# Altium PCB Gimbal.PcbDoc (part 1 of 2)
Units mil, origin at the board's own origin, x right, y up, seen from the top; angles counter-clockwise.
Board outline 2000 x 2000 mil, 4 copper layers (Top Layer, Ground, Power, Bottom Layer), stack 62 mil thick; 96 components, 55 nets, 309 pads, 198 vias.
Unrouted connection lines stored in the file: 26.
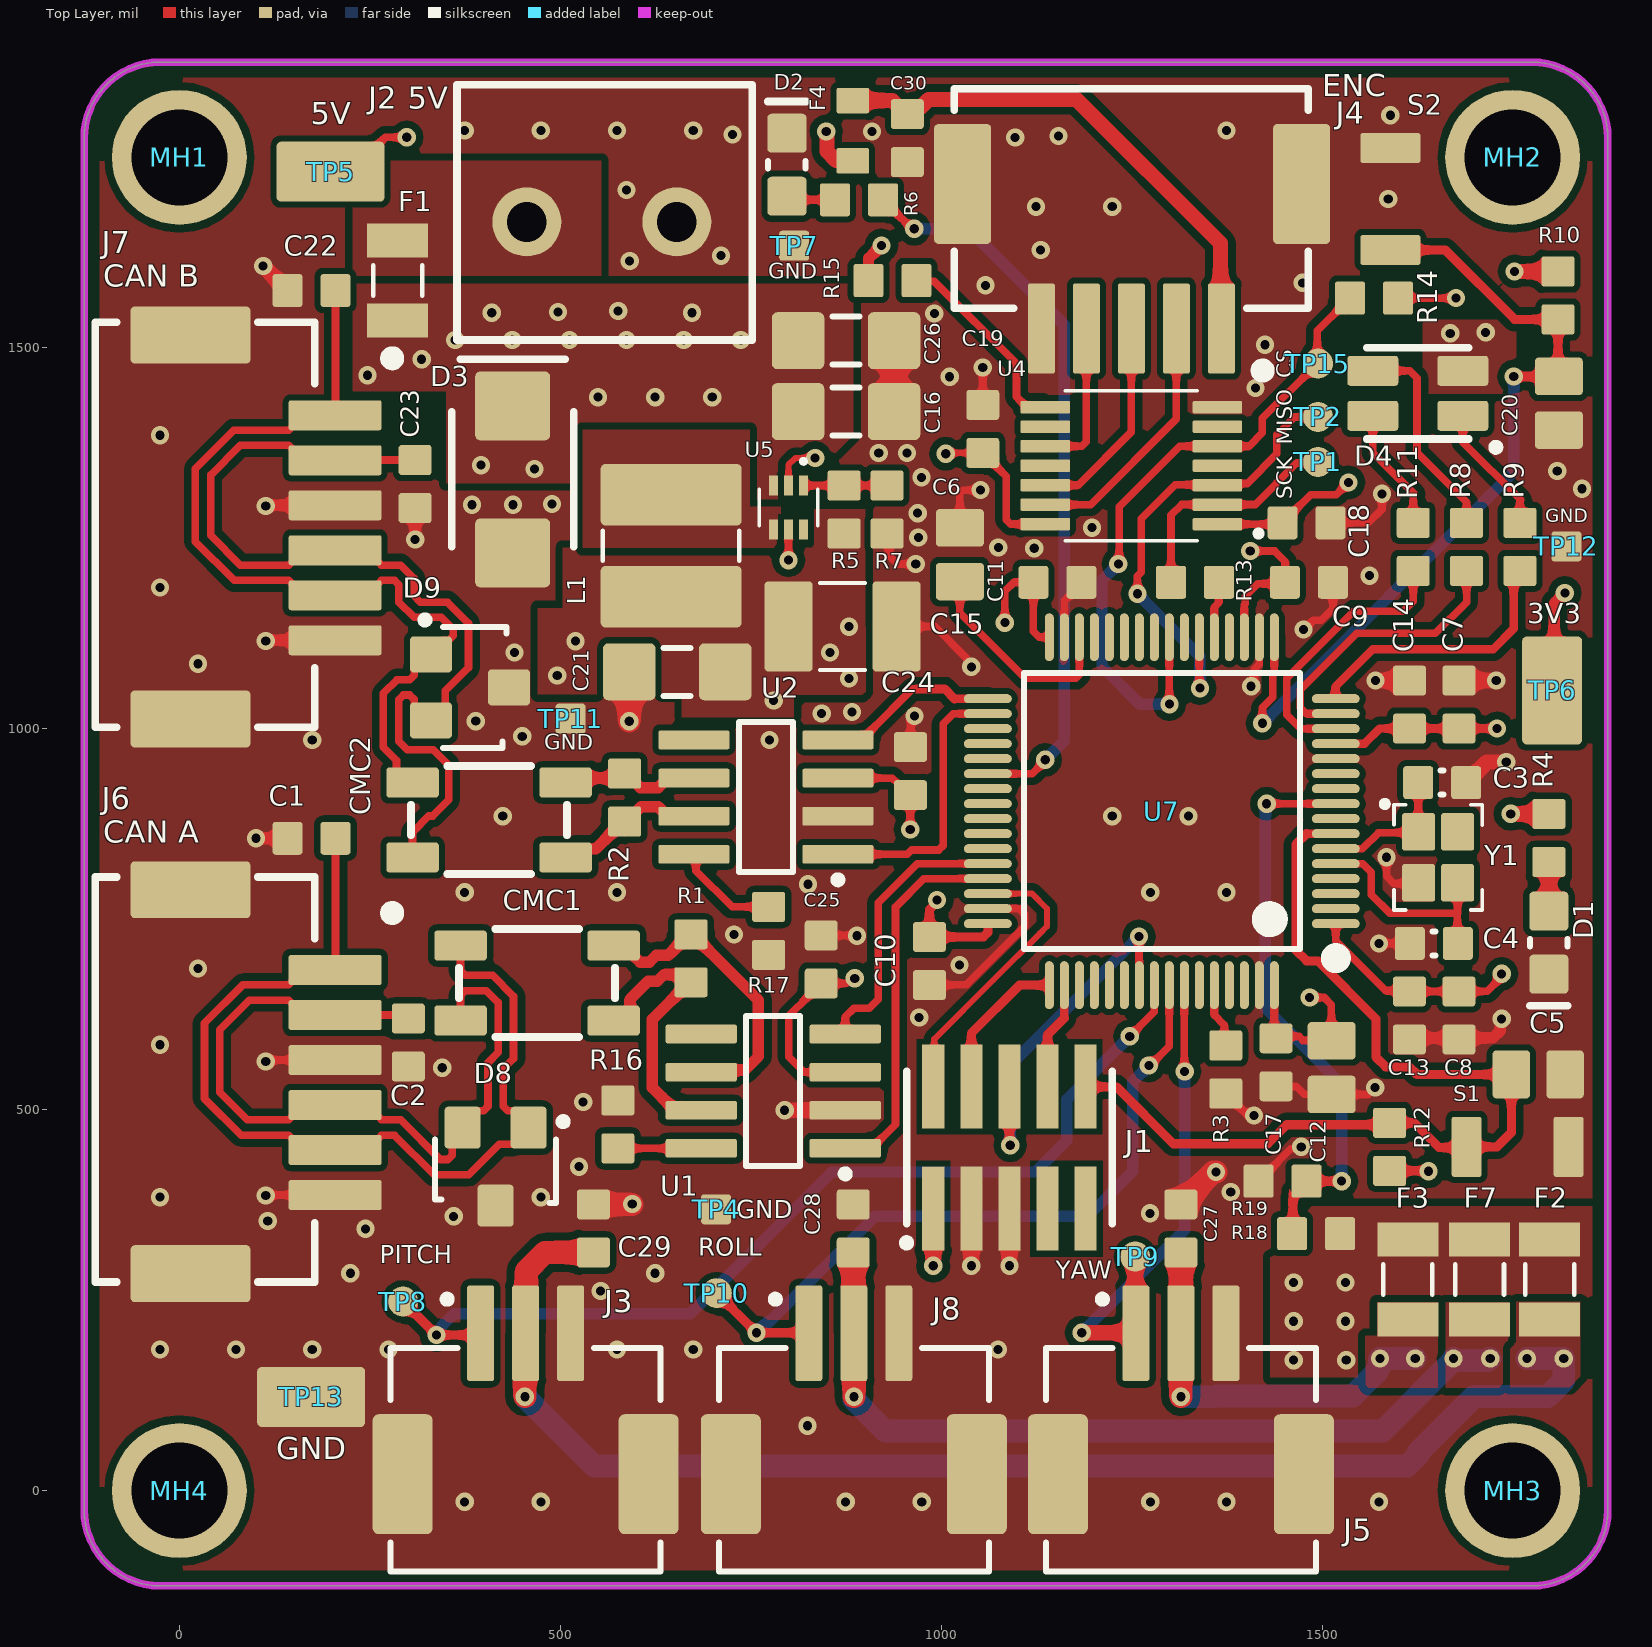
[diagram p0: Top Layer view]
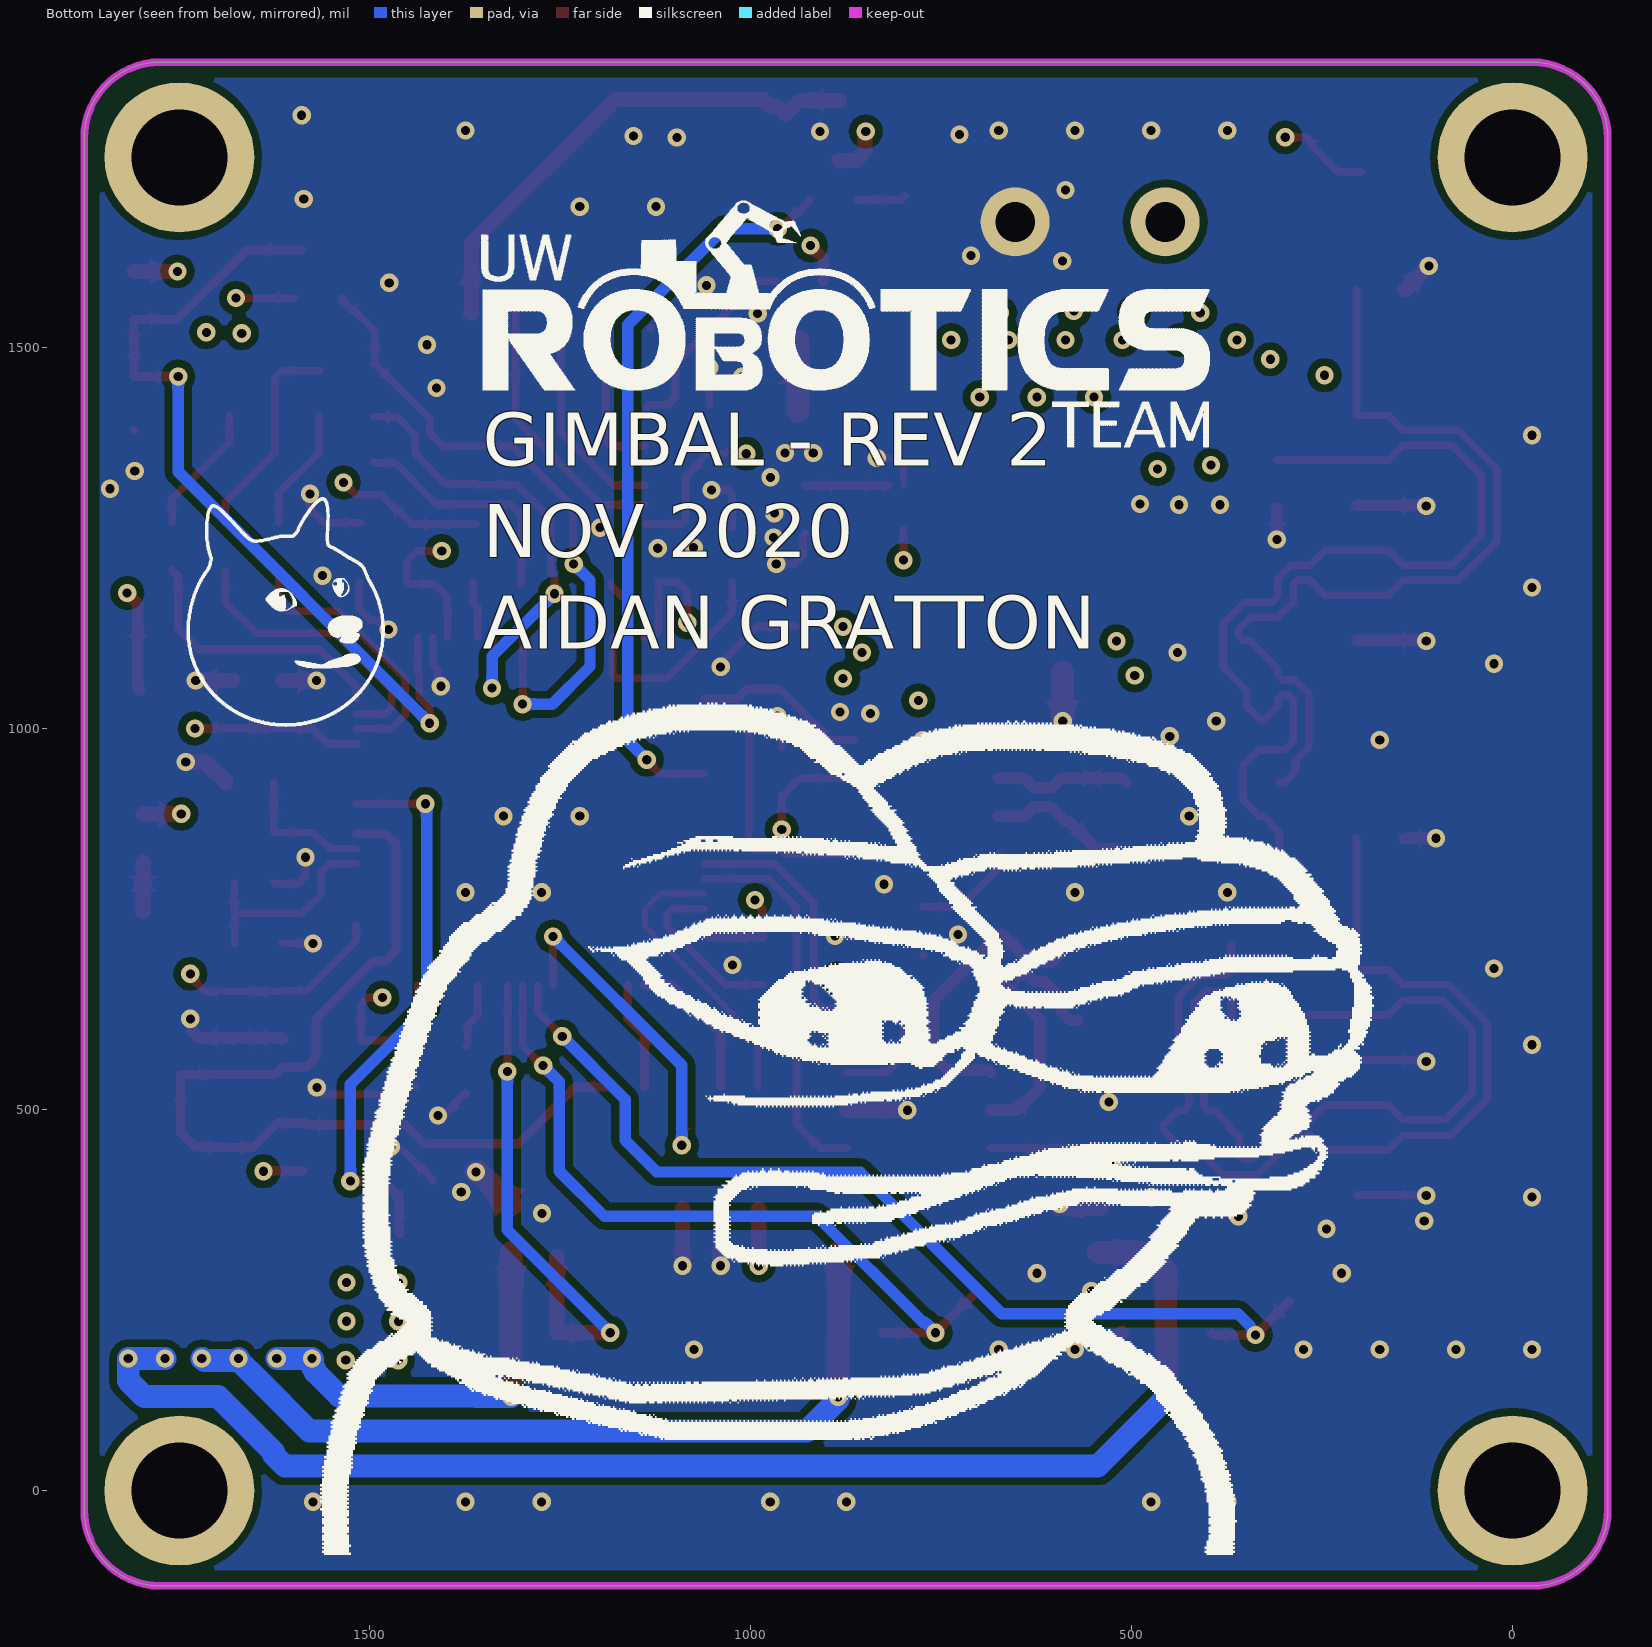
[diagram p1: Bottom Layer view, seen from below]
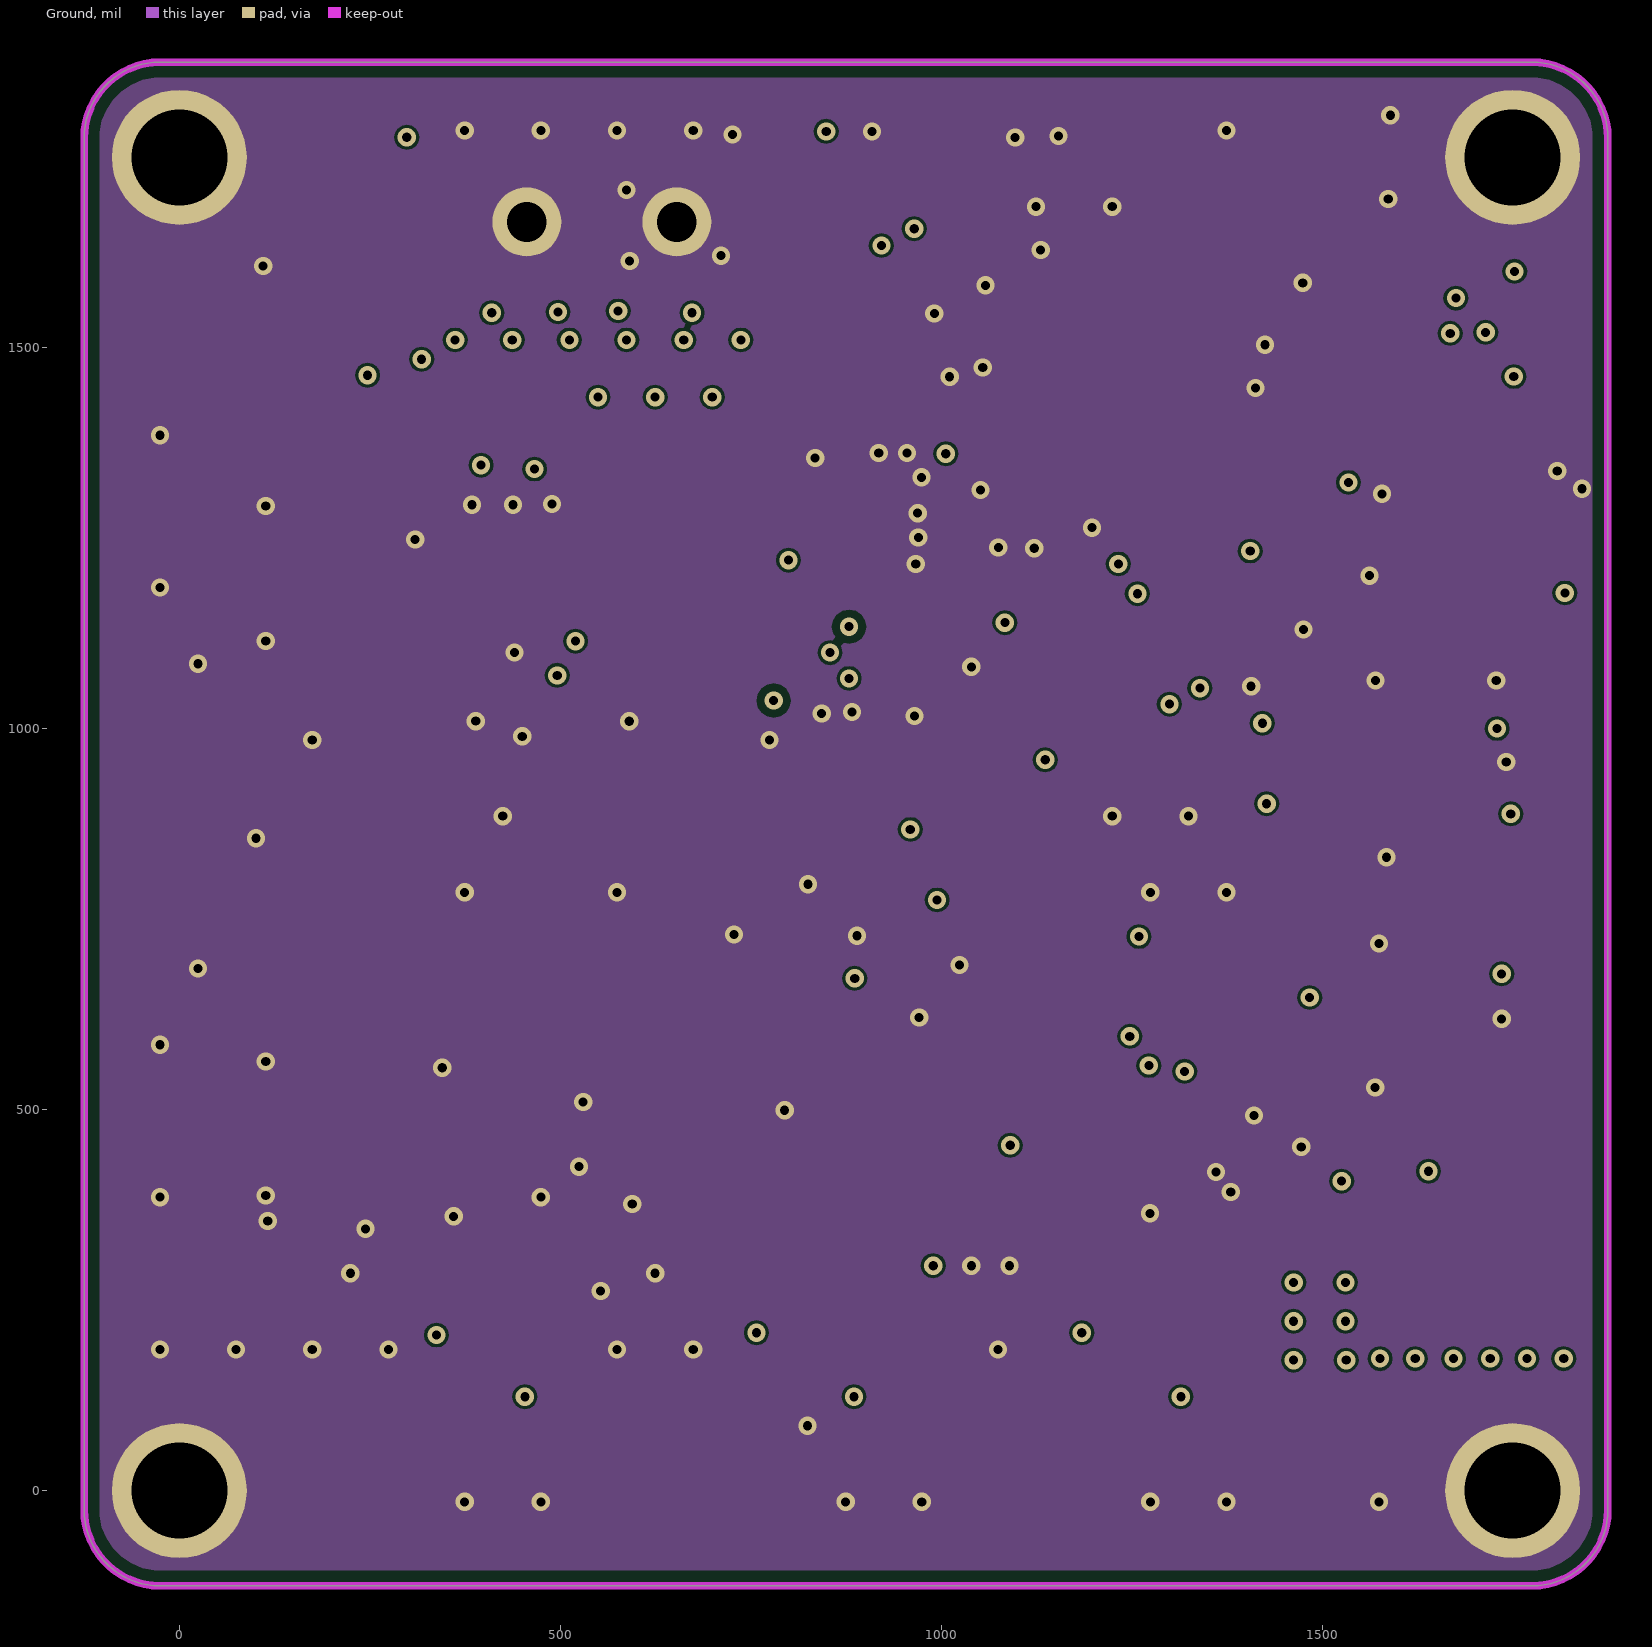
[diagram p2: Ground]
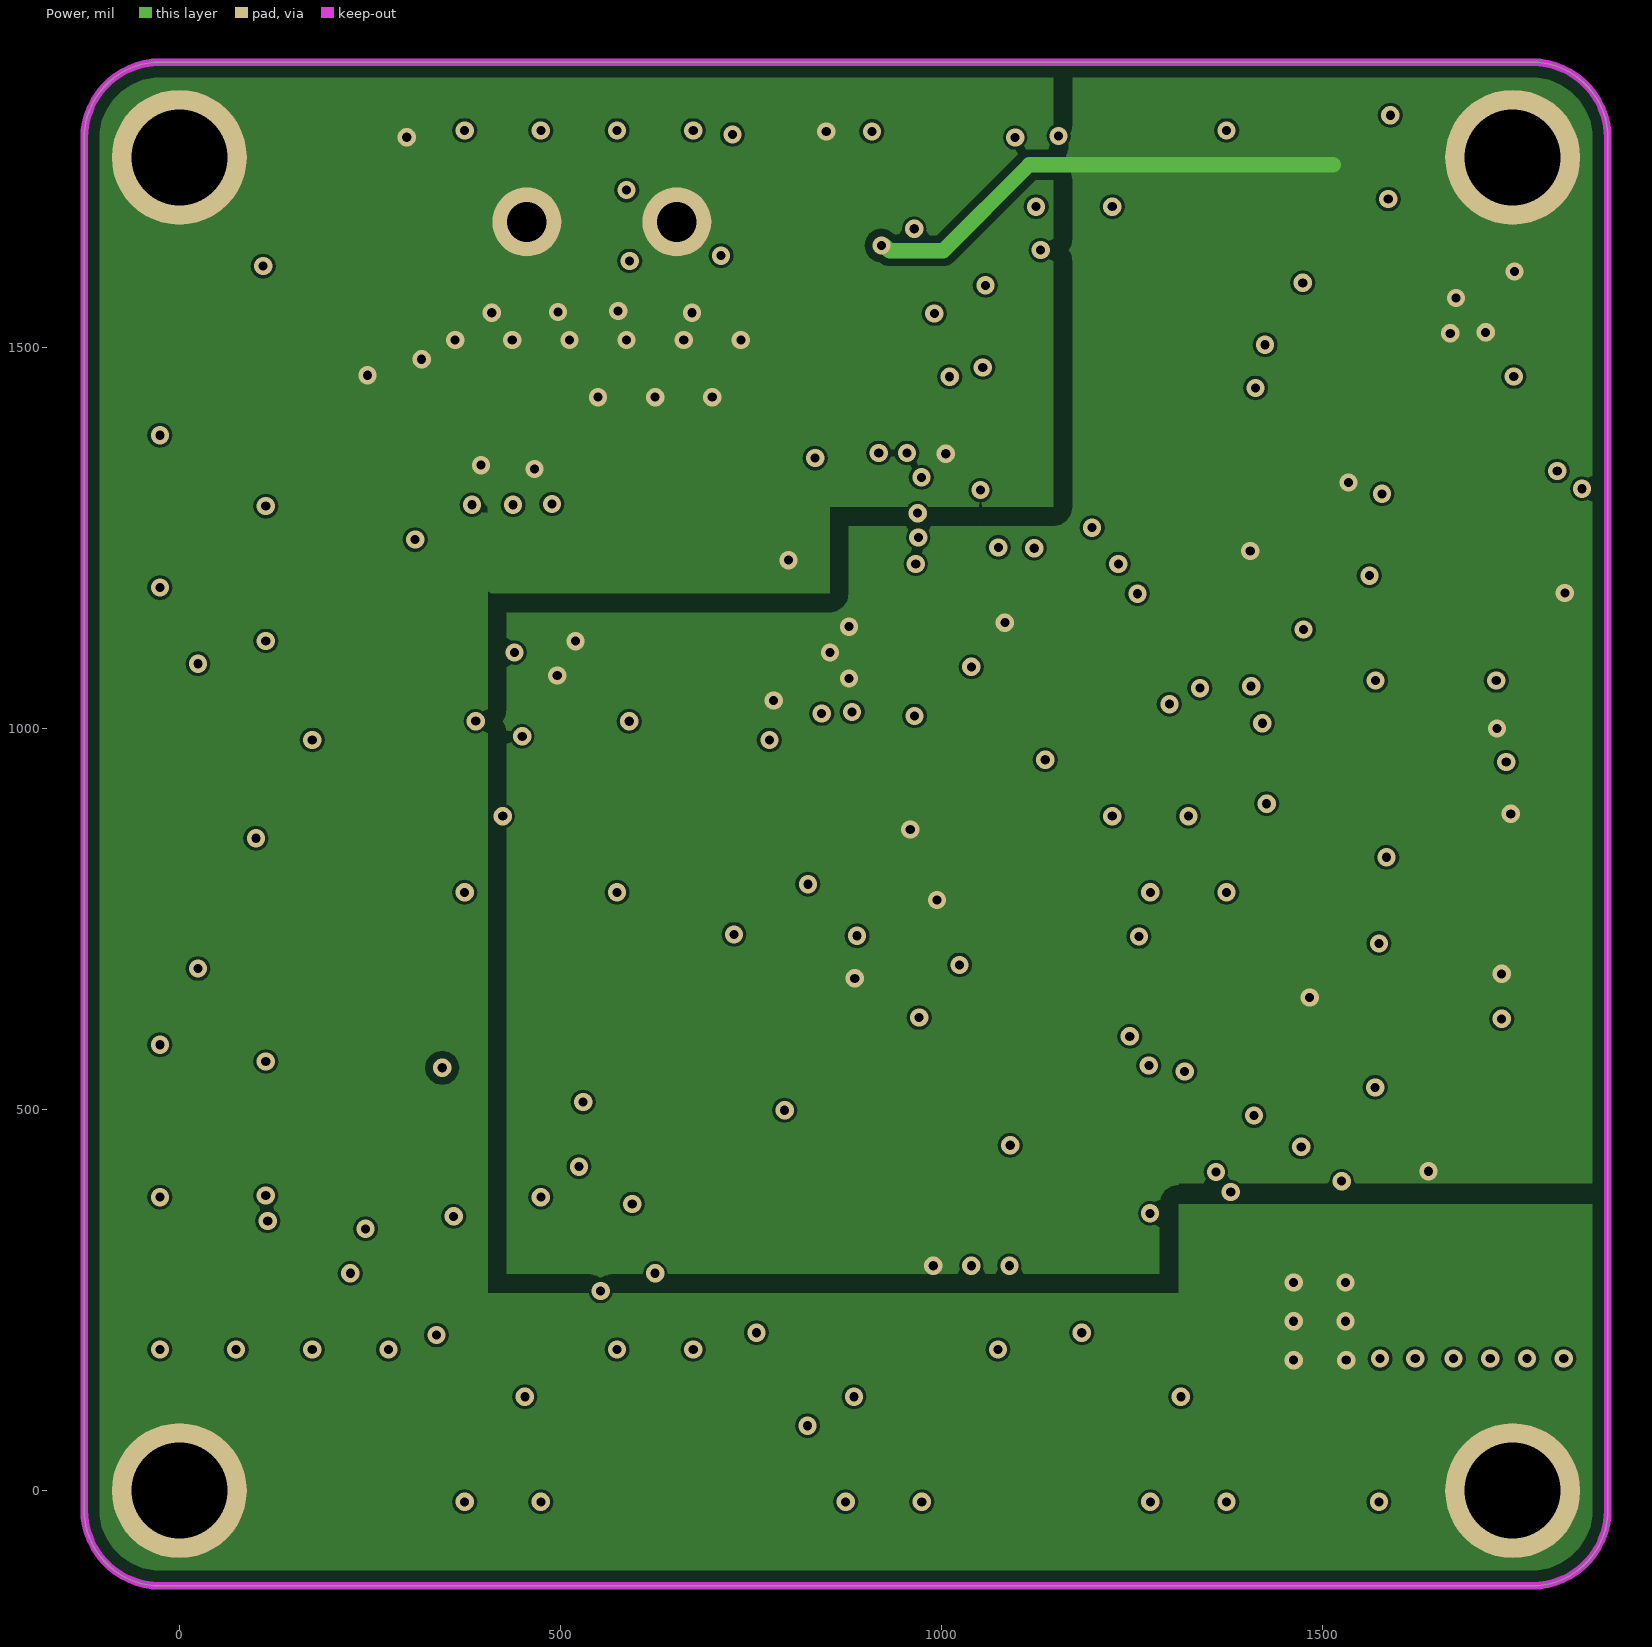
[diagram p3: Power]
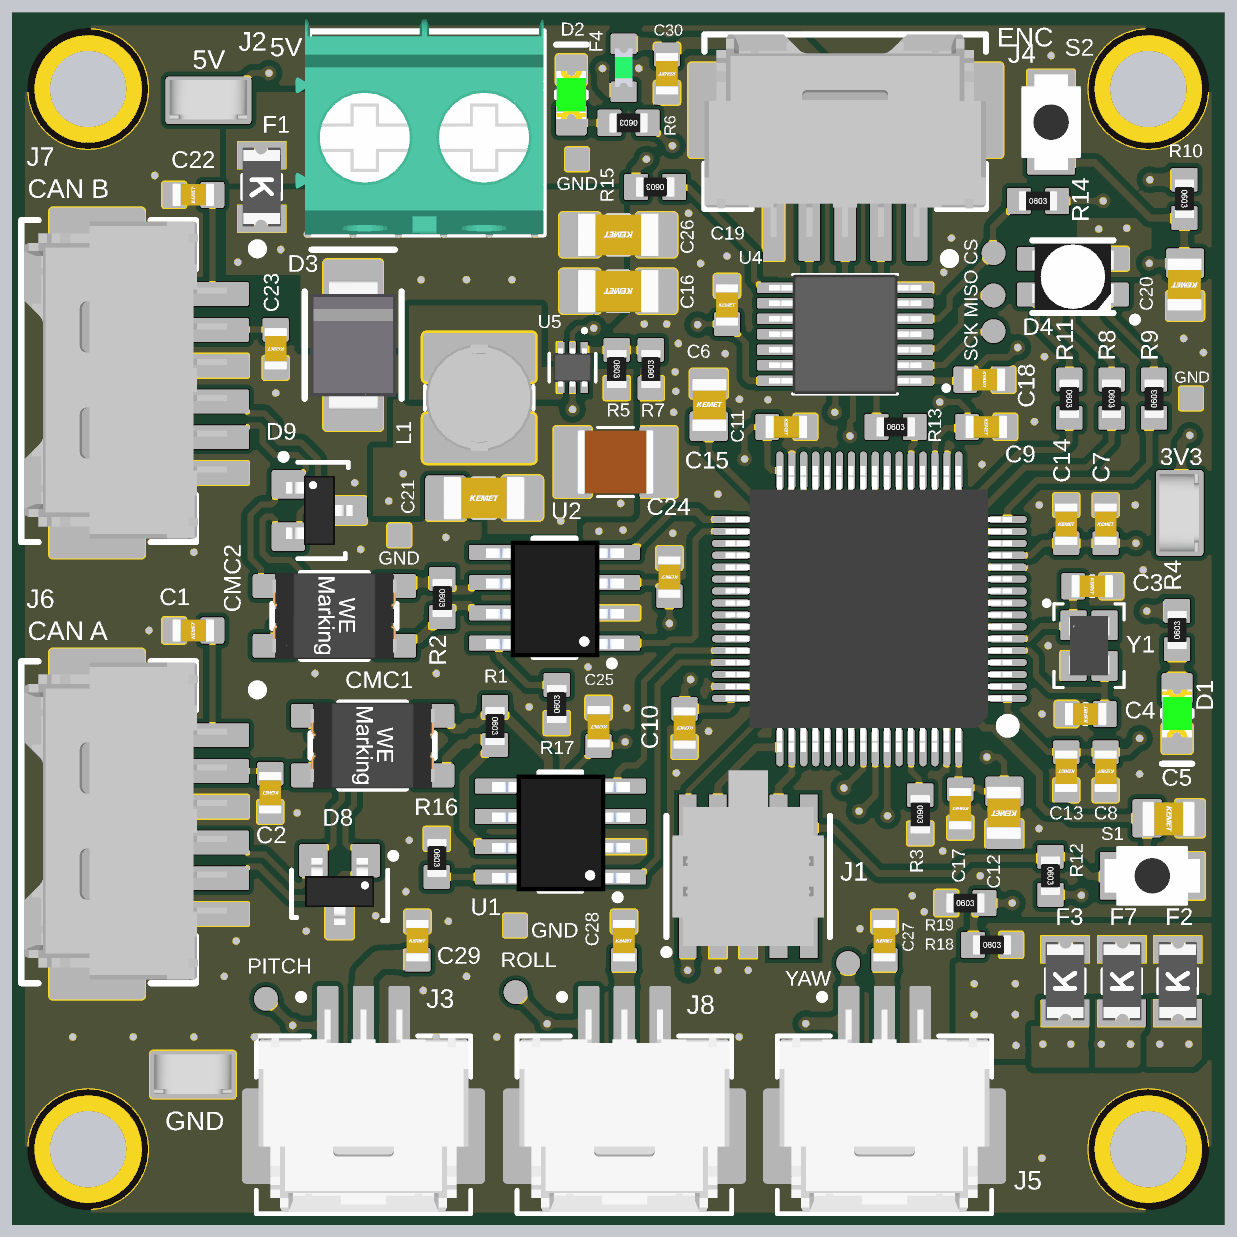
[diagram p5: 3D render of the assembled board from above, using the file's embedded part models]

## Layer stack, top to bottom
Top Solder: solder mask 0.4, Solder Resist, Dk 3.5
Top Layer: signal copper 1.4
Dielectric 2: prepreg 7.9, PP-006, Dk 4.6
Ground: signal copper 0.7
Dielectric 1: dielectric 42, FR-4, Dk 4.2
Power: signal copper 0.7
Dielectric 3: prepreg 7.9, PP-006, Dk 4.6
Bottom Layer: signal copper 1.4
Bottom Solder: solder mask 0.4, Solder Resist, Dk 3.5

## Board outline
-125,-25 -125,1366 -125,1775 cw(c-25,1775) -25,1875 1775,1875 cw(c1775,1775) 1875,1775 1875,-25 cw(c1775,-25) 1775,-125 -25.5,-125 -25,-125 cw(c-25,-25)
